# KiCad board CTS-SAT-2-OBC-PCB.kicad_pcb (continued)
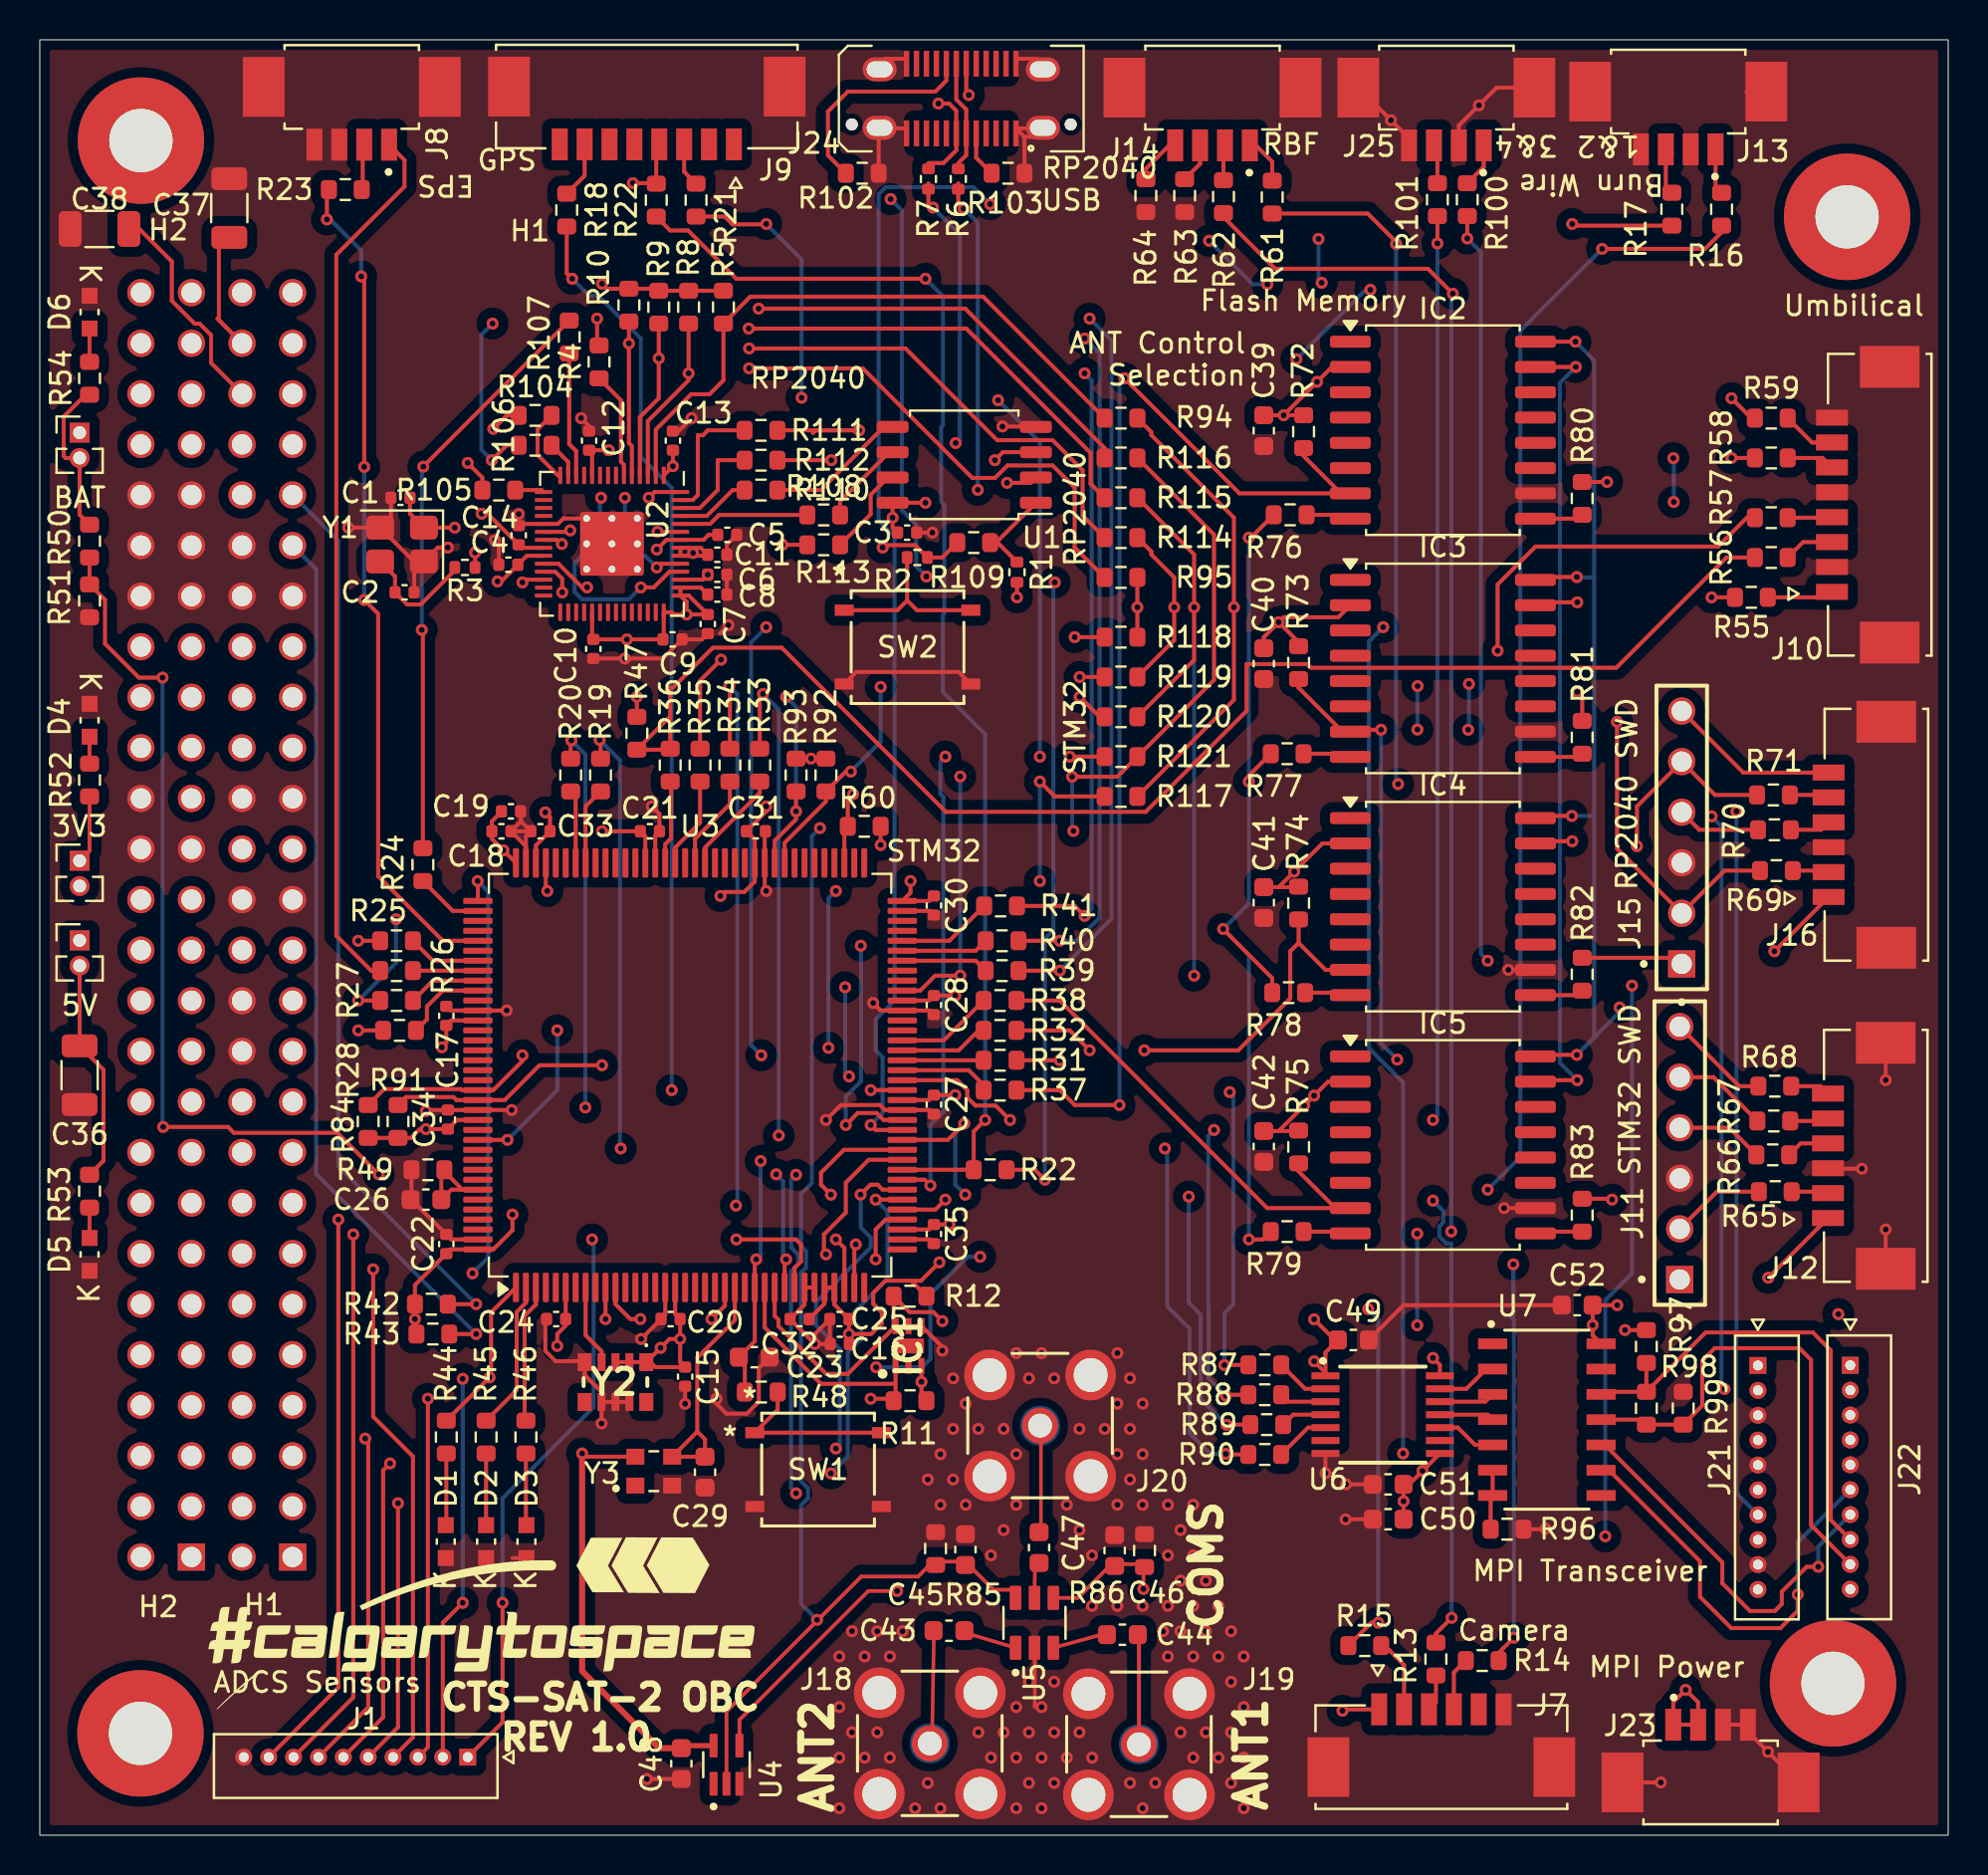
[diagram p0: board, top side]
## Routing (per net, layer and track width the routed paths; a pad name or vN(x,y) marks a point on that pad's centre or on a via; arc(x,y) is an arc through that point) (continued)
+BATT: length 108.7
  Top w0.2: R55.1 v1(84,62.17) ; 2.3,72.34 1.2,71.24 1.2,69.26 1.29,69.17 J5.2 2,66.32 R50.1
  In3.Cu w0.2: v1(82.08,69.16) 81.72,69.52 74.95,69.52 v1(66.85,77.61) ; J5.2 2.5,68.67 10.94,68.67 11.71,69.44 11.71,70.26 12.29,70.84 13.92,70.84 21.25,78.17 23.25,78.17 23.85,78.77 31.93,78.77 33.03,77.67 39,77.67 42.54,74.13 v1(63.14,74.13) ; v1(84,62.17) 82.1,64.07 v1(82.1,66.96)
  Bottom w0.2: v1(82.08,69.16) 82.1,69.14 v1(82.1,66.96) ; v1(66.85,77.61) 66.62,77.61 v1(63.14,74.13)
/Antenna/ANT_I2C0_SCL: length 74.5
  Top w0.2: R95.1 v1(55.15,61.67) R118.1
  In2.Cu w0.2: v1(55.15,61.67) 55.75,62.27 74.32,62.27 80.25,56.34 80.25,54.77 82.26,52.77 83.9,52.77 v1(85.25,51.42)
  Bottom w0.2: v1(85.25,51.42) 85.25,17.17 J21.7
/Antenna/ANT_I2C0_SDA: length 83.1
  Top w0.2: R117.1 60,57.02 v1(60,61.67) 60,66.17 55.85,70.32 55.85,70.47 R94.1
  In2.Cu w0.2: v1(84.65,22.41) 84.85,22.41 84.92,22.34 J21.2 ; v1(60,61.67) 74.35,61.67 79.85,56.17 79.85,54.61 82.09,52.37 82.91,52.37 84,51.27 v1(84,51.17)
  Bottom w0.2: v1(84.65,22.41) 84.5,22.56 84.5,50.67 v1(84,51.17)
/Antenna/ANT_I2C1_SCL: length 90
  Top w0.2: R120.1 58,59.02 v1(58,61.67) 58,64.32 R115.1
  In2.Cu w0.2: v1(80,42.67) 58.5,42.67 v1(58,43.17) ; v1(78.66,15.01) 78.83,14.84 J21.8
  Bottom w0.2: v1(58,61.67) v1(58,43.17) ; v1(80,42.67) 80,28.21 78.66,26.87 v1(78.66,15.01)
/Antenna/ANT_I2C1_SDA: length 80.6
  Top w0.2: R114.1 55.85,64.47 55.85,64.32 57,63.17 v1(57,61.67) 57,60.02 R119.1
  In2.Cu w0.2: v1(67.5,60.67) 66.8,59.97 58.7,59.97 v1(57,61.67) ; v1(68.5,19.17) 81.3,19.17 81.97,19.84 J21.4
  Bottom w0.2: v1(67.5,60.67) 66.79,59.96 66.79,39.52 68.5,37.81 v1(68.5,19.17)
/Antenna/N_UHF_CTRL: length 30.7
  Top w0.186: v1(43.08,12.26) 41.63,12.26 35.15,5.79 U4.4 ; v1(55.45,12.36) 55.45,13.59 ; 53.85,13.61 52.16,11.92 U5.4 ; 53.9,13.61 55.43,13.61
  In2.Cu w0.186: v1(43.08,12.26) 55.35,12.26 v1(55.45,12.36)
/Antenna/UHF_CTRL: length 100.1
  Top w0.186: U4.2 34.5,6.21 41.28,12.99 44.13,12.99 44.88,13.74 46.45,13.74 ; 46.5,13.74 47.92,12.32 48.87,12.32
  Top w0.2: v1(51.87,53.16) 54.14,53.16 R121.1 59,58.02 59,65.32 R116.1
  In2.Cu w0.2: v1(51.94,50.43) 51.79,50.58 v1(39.2,50.58)
  Bottom w0.2: v1(51.87,53.16) 51.87,50.5 v1(51.94,50.43) ; v1(39.2,50.58) 38.79,50.17 38.79,32.75 38.25,32.21 38.25,29.59 38.5,29.34 38.5,28.5 38.25,28.25 38.25,17.77 38.6,17.42 38.6,16.92 38.25,16.57 38.25,11.62 v1(39.05,10.81)
/Connectors/BATT_IN: length 5.9
  In3.Cu w0.2: J5.1 2.59,69.85 J4.46 J4.45
/Connectors/BOOM_CTRL_1: length 2.6
  Top w0.2: 84.5,84.46 84.3,84.67 ; J13.1 84.2,82.79 R16.2
/Connectors/BOOM_CTRL_2: length 2.6
  Top w0.2: J13.3 81.7,82.79 R17.2 ; 82,84.46 81.8,84.67
/Connectors/BOOM_CTRL_3: length 2.2
  Top w0.2: J25.1 72.55,83.79 R100.2
/Connectors/BOOM_CTRL_4: length 1.7
  Top w0.2: R101.2 70.22,84.69
/Connectors/CAM_EN: length 3.9
  Top w0.2: 67.4,9.69 68.55,8.54 J7.2
/Connectors/DEBUG_LED: length 121.7
  Top w0.2: R44.1 v1(22.6,22.99) 22.67,23.07 22.67,26.26 23.92,27.51 ; 59.47,81.27 62.07,78.67 69.75,78.67 v1(71,77.42)
  In2.Cu w0.2: v1(70.92,30.32) 69.65,29.05 v1(47.25,29.05) ; v1(42.02,23.5) 41.51,22.99 v1(22.6,22.99)
  Bottom w0.2: v1(70.92,30.32) 70.92,77.5 ; v1(47.25,29.05) 46.63,29.05 44.75,27.17 44.75,23.92 44.33,23.5 v1(42.02,23.5)
/Connectors/GPS_PPS: length 2.8
  Top w0.2: R18.1 27.38,83.34 J9.7
/Connectors/MISO_LPUART1_RX: length 72.6
  Top w0.2: 31.62,54.52 R47.2 31.68,56.19 ; 31.68,56.19 31.68,57.62 31.67,57.63 31.81,57.63 33.82,59.64 37.28,59.64 45.53,51.39 55.56,51.39 60.63,56.47 60.63,58.82 63.69,58.82 63.87,58.63 79.21,58.63 84.75,64.17 R56.1 ; 31.68,56.19 R36.1
/Connectors/MISO_UART4_RX: length 2.7
  Top w0.2: R14.2 71.05,8.17 J7.4
/Connectors/MISO_UART5_RX: length 44.4
  Top w0.2: R26.1 16.65,43.42 14.9,45.17 14.9,79.37 18.33,82.8 18.33,84.13 J8.1
/Connectors/MISO_USART3_RX: length 74.9
  Top w0.2: R22#2.2 50,33.42 v1(50.5,32.92) ; 30.97,84.77 R22.2 30.95,82.97 v1(29.8,82.97)
  In2.Cu w0.2: v1(42.75,82.17) 42.26,82.66 32.29,82.66 31.98,82.97 v1(29.8,82.97) ; v1(44.55,63.22) 50.7,63.22 v1(51,62.92)
  Bottom w0.2: 50.5,32.94 50.5,45.02 50.93,45.45 50.93,62.85 v1(51,62.92) ; v1(44.55,63.22) 44.04,63.72 44.04,65.83 43.31,66.56 43.31,81.61 v1(42.75,82.17)
/Connectors/MOSI_LPUART1_TX: length 61.8
  Top w0.2: R57.1 85.78,66.17 84.32,64.72 75.15,64.72 73.25,62.82 v1(73.25,59.49) ; v1(34.23,59.04) 33.18,57.98 R35.2
  In2.Cu w0.2: v1(73.25,59.49) 73.19,59.43 41.11,59.43 40.72,59.04 v1(34.23,59.04)
/Connectors/MOSI_UART4_TX: length 1.8
  Top w0.2: R13.2 70.15,6.67 J7.3
/Connectors/MOSI_UART5_TX: length 2
  Top w0.2: 16.22,82.8 16.22,84.83
/Connectors/MOSI_USART3_TX: length 2.2
  Top w0.2: R21.2 32.38,83.54 J9.3
/Connectors/RBF_1: length 65.1
  Top w0.2: 40.43,50.49 U3.75 ; 68.25,79.92 66.72,81.44 R61.1 ; v1(40.87,52.28) 40.6,52.01 R60.1
  In2.Cu w0.2: v1(68.25,52.79) 67.74,52.28 v1(40.87,52.28)
  Bottom w0.2: v1(68.25,52.79) 68.15,52.89 v1(68.15,79.92)
/Connectors/RP2040_NRST: length 81.6
  Top w0.2: v1(80.25,49.67) 80.25,51.67 J15.05 84.18,52.24 R71.1 ; U2.26 24.39,63.06 v1(24.25,62.92)
  In2.Cu w0.2: v1(80.25,49.67) 79.71,49.13 36.66,49.13 35.88,48.35 24.74,48.35 24.25,48.84 v1(24.25,62.92)
/Connectors/RP2040_SWCLK: length 73
  Top w0.2: v1(27.5,62.67) 27.25,62.67 26.06,63.86 U2.24 ; R69.1 84.65,48.44 J15.02 79.25,49.55 v1(79.25,55.92)
  In2.Cu w0.2: v1(27.5,62.67) 27.74,62.67 34.09,56.32 78.85,56.32 v1(79.25,55.92)
/Connectors/RP2040_SWDIO: length 67.7
  Top w0.2: R70.1 83.38,50.49 J15.04 ; v1(26.25,62.42) 26.25,63.1 25.9,63.46 U2.25
  In2.Cu w0.2: J15.04 79.06,54.82 33.2,54.82 29.74,58.28 28.79,58.28 26.25,60.82 v1(26.25,62.42)
/Connectors/STM32_NRST: length 64.6
  Top w0.2: R48.1 35.43,23.71 ; C23.1 35.93,24.81 U3.25 35.93,28.84 v1(36,28.92) ; J11.05 84.1,38.07 R67.1
  In2.Cu w0.2: J11.05 78,33.67 40.75,33.67 40.56,33.86 v1(36.22,33.86)
  Bottom w0.2: v1(36.22,33.86) 36.22,29.14 v1(36,28.92)
/Connectors/STM32_SWCLK: length 87.7
  Top w0.2: J11.02 84.27,32.32 R65.1 ; v1(22,47.92) 22.01,47.91 U3.109
  In2.Cu w0.2: v1(21.74,28.22) 21.89,28.07 80.02,28.07 J11.02
  Bottom w0.2: v1(22,47.92) 22.53,47.39 22.53,29.01 v1(21.74,28.22)
/Connectors/STM32_SWDIO: length 75
  Top w0.2: 25.42,48.83 25.42,47.49 v1(25.5,47.42) ; J11.04 84.89,35.53 R66.1
  In2.Cu w0.2: v1(25.5,47.42) 26.5,46.42 41.6,46.42 41.71,46.52 42.2,46.52 42.3,46.42 51.9,46.42 52.25,46.77 52.75,46.77 53.1,46.42 80.99,46.42 82.09,45.31 82.91,45.31 83.49,44.74 83.49,36.62 J11.04
/Connectors/STM32_SWO: length 69.7
  Top w0.2: R68.1 85.39,37.62 J11.06 ; U3.133 v1(23.5,34.92)
  In2.Cu w0.2: J11.06 29.19,40.61 29,40.42 v1(26,40.42)
  Bottom w0.2: v1(23.5,34.92) 26,37.42 v1(26,40.42)
/Connectors/SWO: length 8.7
  Top w0.2: J15.06 85.59,53.37 J16.6
/Memory/SPI_FLASH_MISO: length 93.3
  Top w0.2: R76.2 60.85,65.17 v1(60.75,65.17) ; v1(60.75,29.92) 61.46,29.92 R79.2 ; R27.1 v1(16,41.92) ; R78.2 61.93,43.04 v1(59.46,45.51) ; R77.2 60.75,53.21 v1(60.75,52.92)
  In2.Cu w0.2: v1(59.46,45.51) 59.45,45.52 42.41,45.52 42.2,45.32 24.18,45.32 23.5,46 v1(17.9,46)
  Bottom w0.2: v1(17.9,46) 17.9,43.82 v1(16,41.92) ; v1(60.75,29.92) 60.75,44.22 v1(59.46,45.51) 60.75,46.8 v1(60.75,52.92) v1(60.75,65.17)
/Memory/SPI_FLASH_MOSI: length 114
  Top w0.2: 74.97,49.92 v1(77,49.92) ; IC2.15 v1(77.18,73.74) ; R28.1 v1(16,40.42) ; 75.22,61.92 v1(77.25,61.92) ; 75.22,37.92 v1(77.25,37.92)
  In2.Cu w0.2: v1(16,40.42) 24.88,40.42 26.96,42.5 40.38,42.5 v1(40.47,42.58) ; v1(40.66,38.11) 77.06,38.11 v1(77.25,37.92)
  Bottom w0.2: v1(77.25,61.92) 76.38,61.92 ; 76.38,61.92 76.38,49.92 ; 76.38,61.92 76.38,72.94 v1(77.18,73.74) ; v1(77.25,37.92) 76.38,38.79 76.38,49.92 ; 76.38,49.92 v1(77,49.92) ; v1(40.66,38.11) 40.47,38.3 v1(40.47,42.58)
/Memory/SPI_FLASH_SCLK: length 115.8
  Top w0.2: 74.97,51.19 v1(76.98,51.19) ; 75.22,39.19 v1(77.23,39.19) ; 75.22,63.19 v1(77.23,63.19) ; R25.1 v1(16,44.92) ; IC2.16 v1(77.16,75.01)
  In2.Cu w0.2: v1(79.38,41.57) 54.2,41.57 53.18,42.59 51.23,42.59 50,43.82 17.1,43.82 v1(16,44.92)
  Bottom w0.2: 78.1,51.17 78.1,40.06 v1(77.23,39.19) 79.38,41.34 v1(79.38,41.57) ; 78.1,51.17 78.1,63.17 ; 78.1,51.17 78.08,51.19 v1(76.98,51.19) ; v1(77.16,75.01) 78.1,74.07 78.1,63.17 ; 78.1,63.17 77.25,63.17 v1(77.23,63.19)
/Memory/SPI_NCS_FLASH_0: length 58.9
  Top w0.2: 65.38,67.39 63.5,69.26 63.5,69.66 ; R37.2 51.25,37.42 52,36.67 v1(54.25,36.67) ; IC2.7 60.28,67.39 v1(54.5,73.17)
  Bottom w0.2: v1(54.25,36.67) 54.25,72.92 v1(54.5,73.17)
/Memory/SPI_NCS_FLASH_1: length 41.2
  Top w0.2: v1(67.39,55.52) 65.94,55.52 ; 65.45,55.42 63.25,57.63 R73.2 ; R31.2 v1(51.25,38.92)
  In2.Cu w0.2: v1(51.25,38.92) 51.48,38.69 67.94,38.69 v1(68.21,38.95)
  Bottom w0.2: v1(68.21,38.95) 67.39,39.77 v1(67.39,55.52)
/Memory/SPI_NCS_FLASH_2: length 22.5
  Top w0.2: v1(52.75,39.42) 51.75,40.42 R32.2 ; v1(55.5,39.42) 60.22,39.42 62.83,42.03 62.83,44.39 63.25,44.81 ; R74.2 63.25,44.81 ; 63.25,44.81 64.6,43.46 IC4.7
  In2.Cu w0.2: v1(52.75,39.42) v1(55.5,39.42)
/Memory/SPI_NCS_FLASH_3: length 24.1
  Top w0.2: 65.09,31.49 63.25,33.34 R75.2 ; IC5.7 61.68,31.49 51.25,41.92 R38.2
/MPI/MISO_MPI_RX_N: length 24.5
  Top w0.2: U7.11 80.47,20.87 ; J22.9 89,15.57 89,23.87 88.41,24.46 84.16,24.46 83.53,23.83 83.53,21.57 R99.2 R98.1
/MPI/MISO_MPI_RX_NEN: length 62.6
  Top w0.2: R33.2 36.18,57.15 v1(36.34,57.32) ; 60.72,22.12 59.65,22.12 v1(59.6,22.07)
  In2.Cu w0.2: v1(59,35.42) 57.35,35.42 56.9,34.97 56.78,35.09 56.28,35.09 56.11,34.92 37.35,34.92 v1(37.13,35.14)
  Bottom w0.2: v1(37.13,35.14) 37.13,56.53 v1(36.34,57.32) ; v1(59.6,22.07) 58.73,22.94 58.73,26.61 58.71,26.63 58.71,35.13 v1(59,35.42)
/MPI/MISO_MPI_RX_P: length 24.4
  Top w0.2: R98.2 78.58,22.27 ; R98.2 83.71,25.25 89.09,25.25 89.99,24.35 89.99,15.83 J22.8 ; R98.2 R97.1
/MPI/MISO_USART1_RX: length 67.5
  Top w0.2: v1(59.52,23.61) 59.53,23.62 60.72,23.62 ; R20.2 26.67,54.94 v1(26.71,54.98)
  In2.Cu w0.2: v1(59.79,37.32) 52,37.32 51.23,36.55 v1(27.41,36.55)
  Bottom w0.2: v1(59.79,37.32) 59.97,37.14 59.97,26.67 59.52,26.22 v1(59.52,23.61) ; v1(27.41,36.55) 27.41,54.28 v1(26.71,54.98)
/MPI/MOSI_MPI_TX_EN: length 66.1
  Top w0.2: v1(59.63,20.61) 59.64,20.62 60.82,20.62 ; v1(34.64,57.72) 34.68,57.68 R34.2
  In2.Cu w0.2: v1(34.98,31.62) 35.14,31.46 40.61,31.46 40.75,31.32 56.98,31.32 v1(57.73,32.07)
  Bottom w0.2: v1(34.98,31.62) 35.05,31.69 35.05,57.31 v1(34.64,57.72) ; v1(59.63,20.61) 58.33,21.91 58.33,26.14 57.73,26.74 v1(57.73,32.07)
/MPI/MOSI_MPI_TX_N: length 19.6
  Top w0.2: U7.10 78.64,19.6 84.54,13.7 84.54,12.65 85.93,11.26 87.18,11.26 87.53,11.61 87.53,12.23 88.78,13.48 v1(89.36,13.48)
  Bottom w0.2: J22.7 89.36,14.49 v1(89.36,13.48)
/MPI/MOSI_MPI_TX_P: length 21.7
  Top w0.2: v1(88.33,12.09) 88.33,11.27 87.46,10.4 84.99,10.4 83.42,11.97 83.42,13.76 78.85,18.33 U7.9
  Bottom w0.2: v1(88.33,12.09) 88.33,14.71 J22.6
/MPI/MOSI_USART1_TX: length 67.5
  Top w0.2: R19.2 28.18,54.96 v1(28.13,55.01) ; v1(59.59,19.15) 59.62,19.12 60.72,19.12
  In2.Cu w0.2: v1(56.53,34.49) v1(29.19,34.49)
  Bottom w0.2: v1(29.19,34.49) 29.15,34.53 29.15,53.99 v1(28.13,55.01) ; v1(56.53,34.49) 56.65,34.37 56.65,26.56 57.77,25.44 57.77,20.19 58.83,19.13 58.85,19.15 v1(59.59,19.15)
/RP2040/I2C0_SCL: length 36.1
  Top w0.2: R95.2 52,64.67 52,67.68 50.89,68.79 48.62,68.79 48,68.17 46.85,68.17 41.35,73.67 v1(35.64,73.67) ; R8.2 v1(32.6,73.42) 32.6,73.07 30.55,71.02 U2.3
  In2.Cu w0.2: v1(32.6,73.42) 32.85,73.67 v1(35.64,73.67)
/RP2040/I2C0_SDA: length 31.8
  Top w0.2: U2.2 30.95,70.59 32.73,72.37 33.65,72.37 34.35,73.07 R5.2 35.7,77.27 47.4,77.27 R94.2
/RP2040/I2C1_SCL: length 36.4
  Top w0.2: R115.2 52.8,67.87 52.8,69.42 46.55,75.67 v1(35.62,75.67) ; R10.2 v1(29.6,74.92) 29.6,69.92 29.75,69.77 U2.5
  In2.Cu w0.2: v1(35.62,75.67) 30.35,75.67 v1(29.6,74.92)
/RP2040/I2C1_SDA: length 35.9
  Top w0.2: R9.2 v1(31.1,74.17) 31.1,72.17 30.15,71.22 U2.4 ; R114.2 52.4,66.27 52.4,68.55 50.89,70.06 48.11,70.06 43.5,74.67 v1(35.64,74.67)
  In2.Cu w0.2: v1(31.1,74.17) 31.6,74.67 v1(35.64,74.67)
/RP2040/RP2040_MEM_SCLK: length 4.2
  Top w0.2: 42.68,69.46 40.21,66.99 R108.2
/RP2040/SPI1_CS0: length 29.6
  Top w0.2: R24.1 19.25,60.48 v1(19.19,60.53) ; R107.1 19.27,68.74 v1(19.27,68.73)
  Bottom w0.2: v1(19.19,60.53) 19.19,68.65 v1(19.27,68.73)
/RP2040/SPI1_RX: length 65.7
  Top w0.2: v1(21.5,68.92) 22.24,68.18 R105.1 ; R41.2 52,46.67 v1(52.5,46.17)
  In2.Cu w0.2: v1(52.5,73.42) 50.55,71.47 41.23,71.47 40.08,70.32 25.92,70.32 25.26,69.66 22.24,69.66 v1(21.5,68.92)
  Bottom w0.2: v1(52.5,73.42) 52.85,73.07 52.85,46.52 v1(52.5,46.17)
/RP2040/SPI1_SCK: length 76.3
  Top w0.2: v1(22.71,69.06) 23.46,69.81 R106.1 ; 49.18,43.42 v1(51.25,43.42)
  In2.Cu w0.2: v1(22.75,75.92) 24.1,77.27 51.65,77.27 v1(52.75,76.17)
  Bottom w0.2: v1(52.75,76.17) 53.85,75.07 53.85,46.02 v1(51.25,43.42) ; v1(22.71,69.06) 22.19,69.58 22.19,75.36 v1(22.75,75.92)
/RP2040/SPI1_TX: length 67.4
  Top w0.2: 49.18,44.92 v1(51.25,44.92) ; v1(22.79,70.63) 23.46,71.31 R104.1
  In2.Cu w0.2: v1(52.5,75.17) 40.4,75.17 36.77,71.54 34.75,71.54 34.4,71.9 24.05,71.9 v1(22.79,70.63)
  Bottom w0.2: v1(51.25,44.92) 52.1,44.92 53.25,46.07 53.25,74.42 v1(52.5,75.17)
/RP2040/UHF_CTL: length 30.4
  Top w0.2: v1(36.12,76.67) 46.5,76.67 53.5,69.67 R116.2 ; v1(28,76.17) 28,74.92
  In2.Cu w0.2: v1(36.12,76.67) 28.5,76.67 v1(28,76.17)
/RP2040/USB_D+: length 5.6
  Top w0.2: 46.15,83.98 46.55,84.38 46.55,86.67 46.05,87.17 46.05,89.22
/RP2040/USB_D-: length 8
  Top w0.2: J24.B7 46.55,87.52 v1(46.68,87.4) ; 44.65,83.98 45.41,83.98 46.05,84.62 46.05,86.61 45.69,86.97 v1(45.15,86.97)
  In2.Cu w0.2: v1(46.68,87.4) 45.58,87.4 v1(45.15,86.97)
/RP2040/~{BOOTSEL}: length 8.9
  Top w0.2: SW2.1 43.09,61.52 43.58,62.01 ; R2.2 43.58,62.01 ; 43.58,62.01 44.07,61.52 SW2.2
/STM32/ADC1_IN4: length 41.6
  Top w0.2: v1(23.25,11.67) 23.25,5.67 J1.1 ; U3.29 37.93,28.5 38.25,28.82 38.25,29.67 38,29.92 v1(35,29.92)
  In2.Cu w0.2: v1(27.75,29.92) v1(35,29.92)
  Bottom w0.2: v1(23.25,11.67) 23.25,16.92 27.82,21.49 27.82,29.85 v1(27.75,29.92)
/STM32/ADC1_IN9: length 55
  Top w0.2: v1(16.75,28.42) 16.75,21.02 18.75,19.02 18.75,4.92 J1.4 ; v1(42,28.92) 42,30.42 42.5,30.92 U3.40
  In2.Cu w0.2: v1(42,28.92) 41.65,28.57 38.7,28.57 37.75,29.52 35.75,29.52 35.5,29.27 21.94,29.27 21.09,28.42 v1(16.75,28.42)
/STM32/ADC1_IN10: length 61.1
  Top w0.2: U3.41 45,31.42 v1(45.5,31.92) ; v1(18,16.67) 18,5.42 J1.5
  In2.Cu w0.2: v1(38,17.17) 30.25,17.17 29,15.92 18.75,15.92 v1(18,16.67) ; v1(38,33.17) 38.25,32.92 41.85,32.92 42.85,31.92 v1(45.5,31.92)
  Bottom w0.2: v1(38,33.17) 37.75,32.92 37.75,29.52 38.1,29.17 38.1,28.67 37.75,28.32 37.75,17.42 v1(38,17.17)
/STM32/ADC1_IN11: length 54.9
  Top w0.2: J1.6 17.25,5.92 17.25,18.32 v1(17.6,18.67) ; U3.42 v1(42,31.92)
  In2.Cu w0.2: v1(17.6,18.67) 18,18.67 18.5,18.17 v1(39.75,18.17)
  Bottom w0.2: v1(39.75,18.17) 40.6,19.02 40.6,24.25 41.28,24.92 41.28,25.42 40.92,25.77 40.92,26.27 42.6,27.95 42.6,31.32 v1(42,31.92)
/STM32/ADC1_IN12: length 58
  Top w0.2: J1.7 16.5,6.42 16.5,19.77 v1(16.35,19.92) ; U3.43 42.35,32.42 42.1,32.67 41.74,32.67 v1(41.24,32.17)
  In2.Cu w0.2: v1(40,19.42) 39.5,19.92 v1(16.35,19.92)
  Bottom w0.2: v1(40,19.42) 40.2,19.62 40.2,24.41 39,25.61 39,26.77 41.75,29.52 41.75,30.02 41.25,30.52 41.25,32.16 v1(41.24,32.17)
/STM32/ADC1_IN15: length 59.8
  Top w0.2: U3.46 41.65,33.92 40.5,32.77 40.5,31.27 39.4,30.17 39.4,29.27 v1(39.5,29.17) ; J1.8 15.75,6.92 v1(15.75,30.17)
  In2.Cu w0.2: v1(39.5,29.17) 39.5,29.27 37.75,31.02 26.65,31.02 25.8,30.17 v1(15.75,30.17)
/STM32/ADC1_IN16: length 59.6
  Top w0.2: J1.9 15,7.42 v1(15,30.92) ; v1(39.75,32.17) 39.25,32.67 39.25,33.27 40.4,34.42 U3.47
  In2.Cu w0.2: v1(39.75,32.17) 39.7,32.22 16.3,32.22 v1(15,30.92)
/STM32/BOOT0: length 5.5
  Top w0.2: 20.17,33.27 C26.1 20.67,32.42 U3.138 21.24,32.42 20.33,33.34
/STM32/I2C1_SCL: length 58.6
  Top w0.2: v1(28.25,38.67) 25.11,38.67 23.36,36.92 U3.129 20.94,36.92 20.79,37.07 18.4,37.07 R91.1 ; R118.2 v1(52,60.17)
  In2.Cu w0.2: v1(36.5,60.67) 36.75,60.67 37.25,60.17 v1(52,60.17) ; v1(36.25,39.17) 28.75,39.17 v1(28.25,38.67)
  Bottom w0.2: v1(36.5,60.67) 35.74,59.91 35.74,39.68 v1(36.25,39.17)
/STM32/I2C1_SDA: length 51.8
  Top w0.2: R84.1 17.3,37.47 21.15,37.47 21.2,37.42 U3.128 22.78,37.42 24.25,38.89 v1(24.25,39.17) ; R117.2 51,52.17 v1(50.25,52.92)
  In2.Cu w0.2: v1(24.25,39.17) 24.85,39.77 39.4,39.77 v1(39.62,39.54) ; v1(40,47.42) 40.1,47.32 49.65,47.32 v1(50.25,47.92)
  Bottom w0.2: v1(50.25,52.92) v1(50.25,47.92) ; v1(40,47.42) 39.62,47.04 v1(39.62,39.54)
/STM32/I2C2_SCL: length 57.5
  Top w0.2: U3.11 28.93,26.67 29.68,25.92 v1(30.18,25.92) ; R42.1 v1(21.92,26.67)
  In2.Cu w0.2: v1(30.18,25.92) 28.68,27.42 22.67,27.42 v1(21.92,26.67)
  Bottom w0.2: J3.43 15,65.01 15,33.6 v1(21.92,26.67)
/STM32/I2C2_SDA: length 53.2
  Top w0.2: R43.1 v1(21.92,25.17) ; U3.10 v1(28.43,25.92)
  In2.Cu w0.2: v1(28.43,25.92) 27.67,25.17 v1(21.92,25.17)
  Bottom w0.2: J3.41 13.89,63.58 13.89,33.2 v1(21.92,25.17)
/STM32/I2C3_SCL: length 53.6
  Top w0.2: J1.3 19.5,4.42 v1(19.5,21.92) ; IC1.1 43,22.67 ; 43,22.67 39.25,22.67 36.43,25.49 U3.26 ; 43,22.67 43,21.92 ; R11.2 42.8,21.92 v1(41.75,21.92)
  In2.Cu w0.2: v1(19.5,21.92) 19.85,22.27 33.5,22.27 33.75,22.52 41.15,22.52 v1(41.75,21.92)
/STM32/I2C3_SDA: length 59.2
  Top w0.2: v1(45.35,25.82) 44.9,26.27 43.7,26.27 R12.2 42.9,25.57 IC1.6 40.6,23.17 39.51,23.17 37.11,25.56 37.11,25.89 36.93,26.08 U3.27 ; J1.2 20.25,10.67 v1(21.25,11.67)
  In2.Cu w0.2: v1(45.35,25.82) 45.3,25.77 34.45,25.77 32.43,23.75 22.08,23.75 v1(21.25,22.92)
  Bottom w0.2: v1(21.25,22.92) v1(21.25,11.67)
/STM32/I2C4_SCL: length 22.9
  Top w0.2: 53.25,56.17 v1(52.25,57.17) ; v1(40.75,53.42) 40.5,53.42 R92.1 39.5,51.92 37.43,49.84 U3.81
  In2.Cu w0.2: v1(42.25,57.67) 43.1,56.82 51.9,56.82 v1(52.25,57.17)
  Bottom w0.2: v1(40.75,53.42) 42.25,54.92 v1(42.25,57.67)
/STM32/I2C4_SDA: length 26.6
  Top w0.2: U3.82 36.93,49.95 38,51.02 v1(38,51.42) R93.1 ; R119.2 v1(52.25,58.17)
  In2.Cu w0.2: v1(52.25,58.17) 52,58.42 38.75,58.42 v1(37.5,57.17)
  Bottom w0.2: v1(37.5,57.17) 38,56.67 v1(38,51.42)
/STM32/OSC32_IN: length 4.1
  Top w0.2: 28.22,23.76 28.22,24.31 27.42,25.11 27.42,27.51
/STM32/OSC_IN: length 12.9
  Top w0.2: 33.04,20.27 33.04,23.98 34.93,25.87 U3.23 ; 33.04,20.27 33.43,19.88 C29.1 Y3.3 33.04,20.27
/STM32/STM_UHF_CTL: length 20.9
  Top w0.2: R121.2 v1(51.75,54.17) ; U3.63 44.24,42.42 44.99,43.17 v1(46.25,43.17)
  In2.Cu w0.2: v1(51.75,54.17) 51.1,53.52 46.6,53.52 v1(46.25,53.17)
  Bottom w0.2: v1(46.25,43.17) v1(46.25,53.17)
Net-(C2-Pad1): length 5.8
  Top w0.2: Y1.3 17.85,63.22 C2.1 18.46,61.81 19.14,61.81 20.85,63.52
Net-(C43-Pad1): length 5.7
  Top w0.178: 44.83,4.56 44.93,10.21
Net-(C44-Pad1): length 5.1
  Top w0.2: J19.1 55.23,9.7
Net-(C47-Pad2): length 5.6
  Top w0.178: 50.3,15.01 50.3,20.61
Net-(D1-A): length 3.6
  Top w0.2: R44.2 20.42,15.6
Net-(D2-A): length 3.6
  Top w0.2: D2.2 R45.2
Net-(D3-A): length 3.6
  Top w0.2: R46.2 24.42,15.6
Net-(D4-A): length 1.3
  Top w0.2: D4.2 R52.2
Net-(D5-A): length 1.5
  Top w0.2: R53.2 D5.2
Net-(D6-A): length 1.7
  Top w0.2: R54.2 D6.2
Net-(IC2-SO/IO1): length 2
  Top w0.2: R76.1 65.66,66.31
Net-(IC2-WP#/IO2): length 2.2
  Top w0.2: IC2.9 77.31,66.12
Net-(IC3-SO/IO1): length 2.2
  Top w0.2: R77.1 65.69,54.31
Net-(IC3-WP#/IO2): length 2.2
  Top w0.2: 75.15,54.15 77.34,54.15
Net-(IC4-SO/IO1): length 2.2
  Top w0.2: R78.1 65.72,42.31
Net-(IC4-WP#/IO2): length 2.1
  Top w0.2: IC4.9 77.28,42.19
Net-(IC5-SO/IO1): length 2.3
  Top w0.2: R79.1 65.76,30.31
Net-(IC5-WP#/IO2): length 2.3
  Top w0.2: R83.1 75.24,30.31
Net-(J10-Pad1): length 3
  Top w0.2: R55.2 89.78,62.17
Net-(J10-Pad3): length 2.5
  Top w0.2: J10.3 88.6,64.94 R56.2
Net-(J10-Pad4): length 2.2
  Top w0.2: R57.2 90.03,66.17
Net-(J10-Pad6): length 2.4
  Top w0.2: R58.1 89.57,69.17 J10.6
Net-(J10-Pad7): length 2.7
  Top w0.2: R59.1 89.05,69.94 J10.7
Net-(J12-Pad2): length 1.8
  Top w0.2: R65.2 89.78,32.32
Net-(J12-Pad4): length 2.2
  Top w0.2: R66.2 88.47,34.74 J12.4
Net-(J12-Pad5): length 1.8
  Top w0.2: R67.2 89.72,35.87
Net-(J12-Pad6): length 2
  Top w0.2: R68.2 89.47,37.62 J12.6
Net-(J14-Pad1): length 2.5
  Top w0.2: 61.93,83.09 61.93,84.05 60.8,85.17
Net-(J14-Pad2): length 2
  Top w0.2: R62.2 59.47,85.1
Net-(J14-Pad3): length 2.3
  Top w0.2: 58.3,85.17 58.3,83.94 R63.2
Net-(J14-Pad4): length 2.6
  Top w0.2: 57.05,85.17 55.57,83.7 R64.2
Net-(J16-Pad2): length 1.7
  Top w0.2: R69.2 89.81,48.44
Net-(J16-Pad4): length 2.1
  Top w0.2: J16.4 89.51,50.49 R70.2
Net-(J16-Pad5): length 1.8
  Top w0.2: R71.2 89.76,52.24
Net-(J24-CC1): length 2.6
  Top w0.2: 47.05,85.72 47.05,84.24 47.82,83.47
Net-(J24-CC2): length 11.2
  Top w0.2: R102.1 39.6,84.37 39.6,86.57 40.6,87.57 45,87.57 45.55,88.12 45.55,89.22
Net-(R48-Pad2): length 8.9
  Top w0.2: R48.2 37.07,21.37 SW1.1 SW1.2
Net-(R96-Pad2): length 2.9
  Top w0.2: R96.2 72.9,16.96 ; U7.6 U7.7
Net-(U1-DI(IO0)): length 6.7
  Top w0.2: 42.41,70.73 39.24,67.56 R110.2
Net-(U1-DO(IO1)): length 17.6
  Top w0.2: v1(48.6,67.92) 49.78,67.92 U1.2 ; R111.2 v1(41.17,70.56) 38.99,70.56 38.85,70.42
  In2.Cu w0.2: v1(48.6,67.92) 48.6,69.67 47.71,70.56 v1(41.17,70.56)
Net-(U1-IO2): length 13.2
  Top w0.2: v1(47.99,69.06) 48.39,69.46 U1.3 ; R112.2 v1(39.77,69.06)
  In2.Cu w0.2: v1(39.77,69.06) v1(47.99,69.06)
Net-(U1-IO3): length 4.4
  Top w0.2: R113.2 41.75,66.34 41.75,67.32 42.62,68.19
Net-(U1-~{CS}): length 4.6
  Top w0.2: R1.1 48.12,64.92 R109.2 ; 48.05,64.92 U1.1
Net-(U2-GPIO4): length 5.4
  Top w0.2: U2.6 29.35,68.83 29.2,68.98 29.2,72.07 R4.1
Net-(U2-GPIO9): length 6.3
  Top w0.2: U2.12 26.95,69.52 26.6,69.87 R107.2
Net-(U2-GPIO10): length 1.9
  Top w0.2: U2.13 26.55,68.97 R106.2
Net-(U2-GPIO11): length 3.8
  Top w0.2: R104.2 25.01,70.61 25.01,69.32 26.04,68.29 U2.14
Net-(U2-GPIO12): length 1.5
  Top w0.2: R105.2 25.21,67.56 U2.15
Net-(U2-QSPI_SCLK): length 6.6
  Top w0.2: U2.52 33.68,65.86 34.13,66.31 R108.1
Net-(U2-QSPI_SD0): length 3.8
  Top w0.2: U2.53 33.51,66.26 34.81,67.56 R110.1
Net-(U2-QSPI_SD1): length 6.4
  Top w0.2: R111.1 33.56,70.56 33.31,70.31 33.06,70.31 33.06,67.31 32.81,67.06 U2.55
Net-(U2-QSPI_SD2): length 5.1
  Top w0.2: R112.1 34.06,69.06 34.06,67.56 33.16,66.66 U2.54
Net-(U2-QSPI_SD3): length 8.9
  Top w0.2: v1(37.31,64.81) R113.1 ; U2.51 v1(31.04,65.46)
  In2.Cu w0.2: v1(31.04,65.46) 36.66,65.46 v1(37.31,64.81)
Net-(U2-QSPI_SS): length 18.7
  Top w0.2: 32.02,67.46 30.89,67.46 v1(30.6,67.17) ; v1(42.35,64.67) 42.47,64.79 43.98,64.79 R2.1 45.35,64.17 R109.1
  In2.Cu w0.2: v1(30.6,67.17) 39.85,67.17 v1(42.35,64.67)
Net-(U2-USB_DM): length 44.7
  Top w0.2: v1(44.88,81.74) 44.65,81.97 44.65,82.96 ; v1(30.2,62.67) 30.85,62.67 31.64,63.46 U2.46
  In2.Cu w0.2: v1(46.02,69.92) 30.95,69.92 v1(28.2,67.17)
  Bottom w0.2: v1(46.02,69.92) 46.23,70.13 46.23,80.39 v1(44.88,81.74) ; 46.23,70.03 46.02,69.82 ; v1(30.2,62.67) 29.6,62.07 27.25,62.07 26.87,62.45 26.87,63.9 27.22,64.25 27.73,64.25 28.14,64.67 28.14,67.11 v1(28.2,67.17)
Net-(U2-USB_DP): length 39.7
  Top w0.2: v1(31,63.67) 31.19,63.86 U2.47 ; v1(46.43,81.69) 46.15,81.97 46.15,82.96
  In2.Cu w0.2: v1(29.4,67.17) 30,67.77 35.08,67.77 35.21,67.64 47.06,67.64 v1(47.13,67.57)
  Bottom w0.2: v1(47.13,67.57) 47.13,80.99 v1(46.43,81.69) ; v1(29.4,67.17) 29.4,64.63 29.77,64.25 30.42,64.25 v1(31,63.67)
Net-(U2-XIN): length 10.6
  Top w0.2: v1(20.85,65.67) Y1.1 18.6,66.37 C1.1 ; U2.20 26.58,65.46 v1(26.65,65.53)
  In2.Cu w0.2: v1(20.85,65.67) 26.35,65.67 26.49,65.53 v1(26.65,65.53)
Net-(U2-XOUT): length 6.4
  Top w0.2: v1(26.23,64.85) 26.17,64.85 25.96,65.06 U2.21 ; v1(21.87,64.42) R3.1
  In2.Cu w0.2: v1(21.87,64.42) 25.95,64.42 26.23,64.7 v1(26.23,64.85)
Net-(U3-PA0): length 56.9
  Top w0.2: v1(70.94,10.92) 70.15,10.13 R13.1 ; v1(40,29.92) 40.43,29.49 U3.34
  In2.Cu w0.2: v1(70,31.87) 59.94,31.87 58.41,30.34 46.75,30.34 46.48,30.07 41.45,30.07 41.1,30.42 40.5,30.42 v1(40,29.92)
  Bottom w0.2: v1(70,31.87) 70.52,31.35 70.52,30.77 70.32,30.57 70.32,30.07 70.67,29.72 70.92,29.72 70.92,25.56 70.94,25.54 v1(70.94,10.92)
Net-(U3-PA1): length 59.6
  Top w0.2: U3.35 40.93,29.59 v1(41,29.67) ; R14.1 73.3,9.16 v1(74.06,9.92)
  In2.Cu w0.2: v1(41,29.67) 41.02,29.65 58.29,29.65 59.56,30.92 71.79,30.92 v1(74.04,28.67)
  Bottom w0.2: 73.94,26.01 74.04,26.11 v1(74.04,28.67) 74.04,25.91 74.06,25.88 v1(74.06,9.92)
Net-(U3-PA9): length 3.9
  Top w0.2: 27.42,48.83 27.42,51.67 R19.1
Net-(U3-PA10): length 3.3
  Top w0.2: 26.92,52.17 26.92,48.83
Net-(U3-PA15): length 3.4
  Top w0.2: R24.2 20.75,46.42 U3.110
Net-(U3-PB2): length 90.3
  Top w0.2: R16.1 84.5,80.51 83.67,79.67 v1(78.5,79.67) ; U3.48 45.63,34.92 v1(46.45,35.74)
  In2.Cu w0.2: v1(46.5,32.17) 56.98,32.17 57.48,32.67 72.5,32.67 v1(72.75,32.42)
  Bottom w0.2: v1(46.45,35.74) 46,35.29 46,32.67 v1(46.5,32.17) ; v1(78.5,79.67) 74.39,75.56 74.39,34.06 v1(72.75,32.42)
Net-(U3-PC4): length 70.1
  Top w0.2: v1(36.5,80.92) 36.48,80.9 34.81,80.9 34.41,81.29 R21.1 ; v1(44.75,32.63) 44.46,32.92 U3.44
  In2.Cu w0.2: v1(48.15,72.07) 45.4,72.07 45.28,72.19 v1(38.28,72.19) ; v1(45.5,54.17) v1(50.25,54.17)
  Bottom w0.2: v1(48.15,72.07) 50.25,69.97 v1(50.25,54.17) ; v1(45.5,54.17) 45.25,53.92 45.25,52.3 45.4,52.15 45.4,36.32 44.75,35.67 v1(44.75,32.63) ; v1(36.5,80.92) 38.28,79.14 v1(38.28,72.19)
Net-(U3-PC5): length 64.7
  Top w0.2: v1(47.5,35.92) 46.93,35.34 R22#2.1 U3.45 ; R22.1 31.68,80.59 32.58,80.59 35,78.17 v1(44.5,78.17)
  Bottom w0.2: 45.29,66.96 45.45,66.8 45.45,61.36 45.38,61.29 45.38,57.42 47.5,55.3 v1(47.5,35.92) ; v1(44.5,78.17) 45.38,77.29 45.38,70.81 45.29,70.72 45.29,67
Net-(U3-PC12): length 41.7
  Top w0.2: v1(16.15,78.29) 16.3,78.14 v1(16.3,68.72) ; v1(14.42,81.15) 14.42,82.55 ; U3.113 20.25,44.92 17,48.17 17,61.34 v1(16.3,62.04)
  Bottom w0.2: v1(16.15,78.29) 16.15,79.59 14.59,81.15 ; v1(16.3,62.04) v1(16.3,68.72)
Net-(U3-PD1): length 3.7
  Top w0.2: U3.115 19.75,43.92 R25.2
Net-(U3-PD2): length 3.3
  Top w0.2: R26.2 U3.116
Net-(U3-PD3): length 3.7
  Top w0.2: R27.2 19.75,42.92 U3.117
Net-(U3-PD4): length 4.3
  Top w0.2: R28.2 19.45,40.97 19.45,41.62 20.25,42.42 U3.118
Net-(U3-PE3): length 7.5
  Top w0.2: 24.42,27.51 24.42,26.74 23.96,26.27 23.96,22.36 R45.1
Net-(U3-PE4): length 6.9
  Top w0.2: 24.36,20.88 24.36,26.09 24.92,26.65 24.92,27.51
Net-(U3-PE7): length 4.9
  Top w0.2: R38.1 45.43,39.92 U3.58
Net-(U3-PE13): length 4.4
  Top w0.2: U3.66 47.03,43.92 R39.1
Net-(U3-PE14): length 4.4
  Top w0.2: R40.1 47.03,44.42 U3.67
Net-(U3-PE15): length 4.8
  Top w0.2: U3.68 45.7,44.92 R41.1
Net-(U3-PF10): length 53.3
  Top w0.2: v1(67.25,10.67) 66.9,10.67 R15.1 ; v1(33.75,25.92) 34.43,26.59 U3.22
  In2.Cu w0.2: v1(33.75,25.92) 34.39,26.56 41.96,26.56 42.1,26.42 45.7,26.42 45.95,26.67 66.5,26.67 v1(66.75,26.42)
  Bottom w0.2: v1(67.25,10.67) 67.25,25.92 v1(66.75,26.42)
Net-(U3-PF11): length 90.6
  Top w0.2: v1(41.75,35.67) 42,35.42 U3.49 ; 77.14,81.06 v1(77,80.92) 77.08,80.84 R17.1
  In2.Cu w0.2: v1(47.75,81.92) 76,81.92 v1(77,80.92)
  Bottom w0.2: v1(41.75,35.67) 42.35,36.27 42.35,39.07 42,39.42 42,40.97 42.95,41.92 42.95,65.22 42.15,66.02 42.15,82.42 42.5,82.77 46.9,82.77 v1(47.75,81.92)
Net-(U3-PF12): length 82.4
  Top w0.2: v1(40.5,35.67) 41.1,36.27 42.05,36.27 42.4,35.92 U3.50 ; 71.72,81.54 v1(71.72,80.19)
  In2.Cu w0.2: v1(72.75,43.92) 72.45,44.22 41.7,44.22 v1(41.25,44.67)
  Bottom w0.2: v1(72.75,43.92) 72.41,44.26 72.41,79.51 v1(71.72,80.19) ; v1(40.5,35.67) 40.5,37.1 41.26,37.86 41.26,44.66 v1(41.25,44.67)
Net-(U3-PF13): length 57.4
  Top w0.2: v1(26.75,78.17) 26.47,78.44 R18.2 ; U3.53 v1(41.75,37.42)
  In2.Cu w0.2: v1(41.75,37.42) v1(31.75,37.42)
  Bottom w0.2: v1(26.75,78.17) 27.6,77.32 28.05,77.32 30.2,75.17 30.2,69.22 31.75,67.67 v1(31.75,37.42)
Net-(U3-PF14): length 73.5
  Top w0.2: U3.54 46.1,37.92 46.6,37.42 46.6,37.05 47.01,36.64 48.03,36.64 v1(48.75,35.92) ; 70.22,81.54 v1(70.22,79.94)
  In2.Cu w0.2: v1(70,35.92) 59.35,35.92 59.25,36.02 48.85,36.02 v1(48.75,35.92)
  Bottom w0.2: v1(70.22,79.94) 70.22,36.14 v1(70,35.92)
Net-(U3-PF15): length 4.4
  Top w0.2: U3.55 46.68,38.42 47.43,37.67
Net-(U3-PG0): length 3.8
  Top w0.2: U3.56 47.18,38.92
Net-(U3-PG1): length 4.6
  Top w0.2: U3.57 46.18,39.42 47.43,40.67
Net-(U3-PG4): length 5.2
  Top w0.2: U3.89 33.43,49.6 36.18,52.35 R33.1
Net-(U3-PG5): length 4.8
  Top w0.2: R34.1 34.68,51.79 32.93,50.04 U3.90
Net-(U3-PG7): length 4.6
  Top w0.2: R35.1 33.18,50.85 31.93,49.6 U3.92
Net-(U3-PG8): length 4.2
  Top w0.2: U3.93 31.43,49.77 31.72,50.06 31.72,52.88
Net-(U5-RF1): length 2.5
  Top w0.178: U5.3 53.3,10.06
Net-(U5-RF2): length 2.8
  Top w0.178: 46.33,10.21 U5.1
Net-(U5-RFC): length 1.4
  Top w0.178: U5.5 50,13.31
Net-(U6-IO_VCC1): length 2.7
  Top w0.2: 72.67,23.41 71.68,22.42 U6.13
Net-(U6-IO_VCC2): length 2.8
  Top w0.2: U7.3 72.63,21.77 U6.12
Net-(U6-IO_VCC3): length 2.8
  Top w0.2: U6.11 72.75,21.12 U7.4
Net-(U6-IO_VCC4): length 3
  Top w0.2: U7.5 72.12,19.6 71.25,20.47 U6.10
Net-(U6-IO_VL1): length 2.7
  Top w0.2: U6.2 63.57,22.42 R87.2
Net-(U6-IO_VL2): length 2.4
  Top w0.2: R88.2 62.72,21.77 U6.3
Net-(U6-IO_VL3): length 2.3
  Top w0.2: U6.4 62.97,21.12 R89.1
Net-(U6-IO_VL4): length 2.8
  Top w0.2: R90.1 63.72,20.47 U6.5

## Copper pours and planes (outline as drawn; the poured copper is in the pictures)
+3V3 on In3.Cu: 15,78.67 90,78.17 90.5,27.42 80.2,21.77 68.2,16.17 50,28.97 32.25,15.92 19.5,15.92 14.75,46.17
GND on Top, In1.Cu, In4.Cu: 0,90.17 95.89,90.17 95.89,0 0,0

## Text on the board
F.Silkscreen: RP2040 / USB | BAT | 3V3 | 5V | H2 | H1 | GPS | RP2040 | STM32 | RBF | Flash Memory | Camera | MPI Transceiver | MPI Power | Umbilical | ADCS Sensors | ANT Control / Selection | RP2040 SWD | STM32 SWD | EPS | 3&4 | Burn Wire | 1&2 | CTS-SAT-2 OBC | REV 1.0 | REV 1.0. | ANT2 | COMS | ANT1
